# Altium PCB Fast_Servo.PCBDOC (part 3 of 7) (continued)
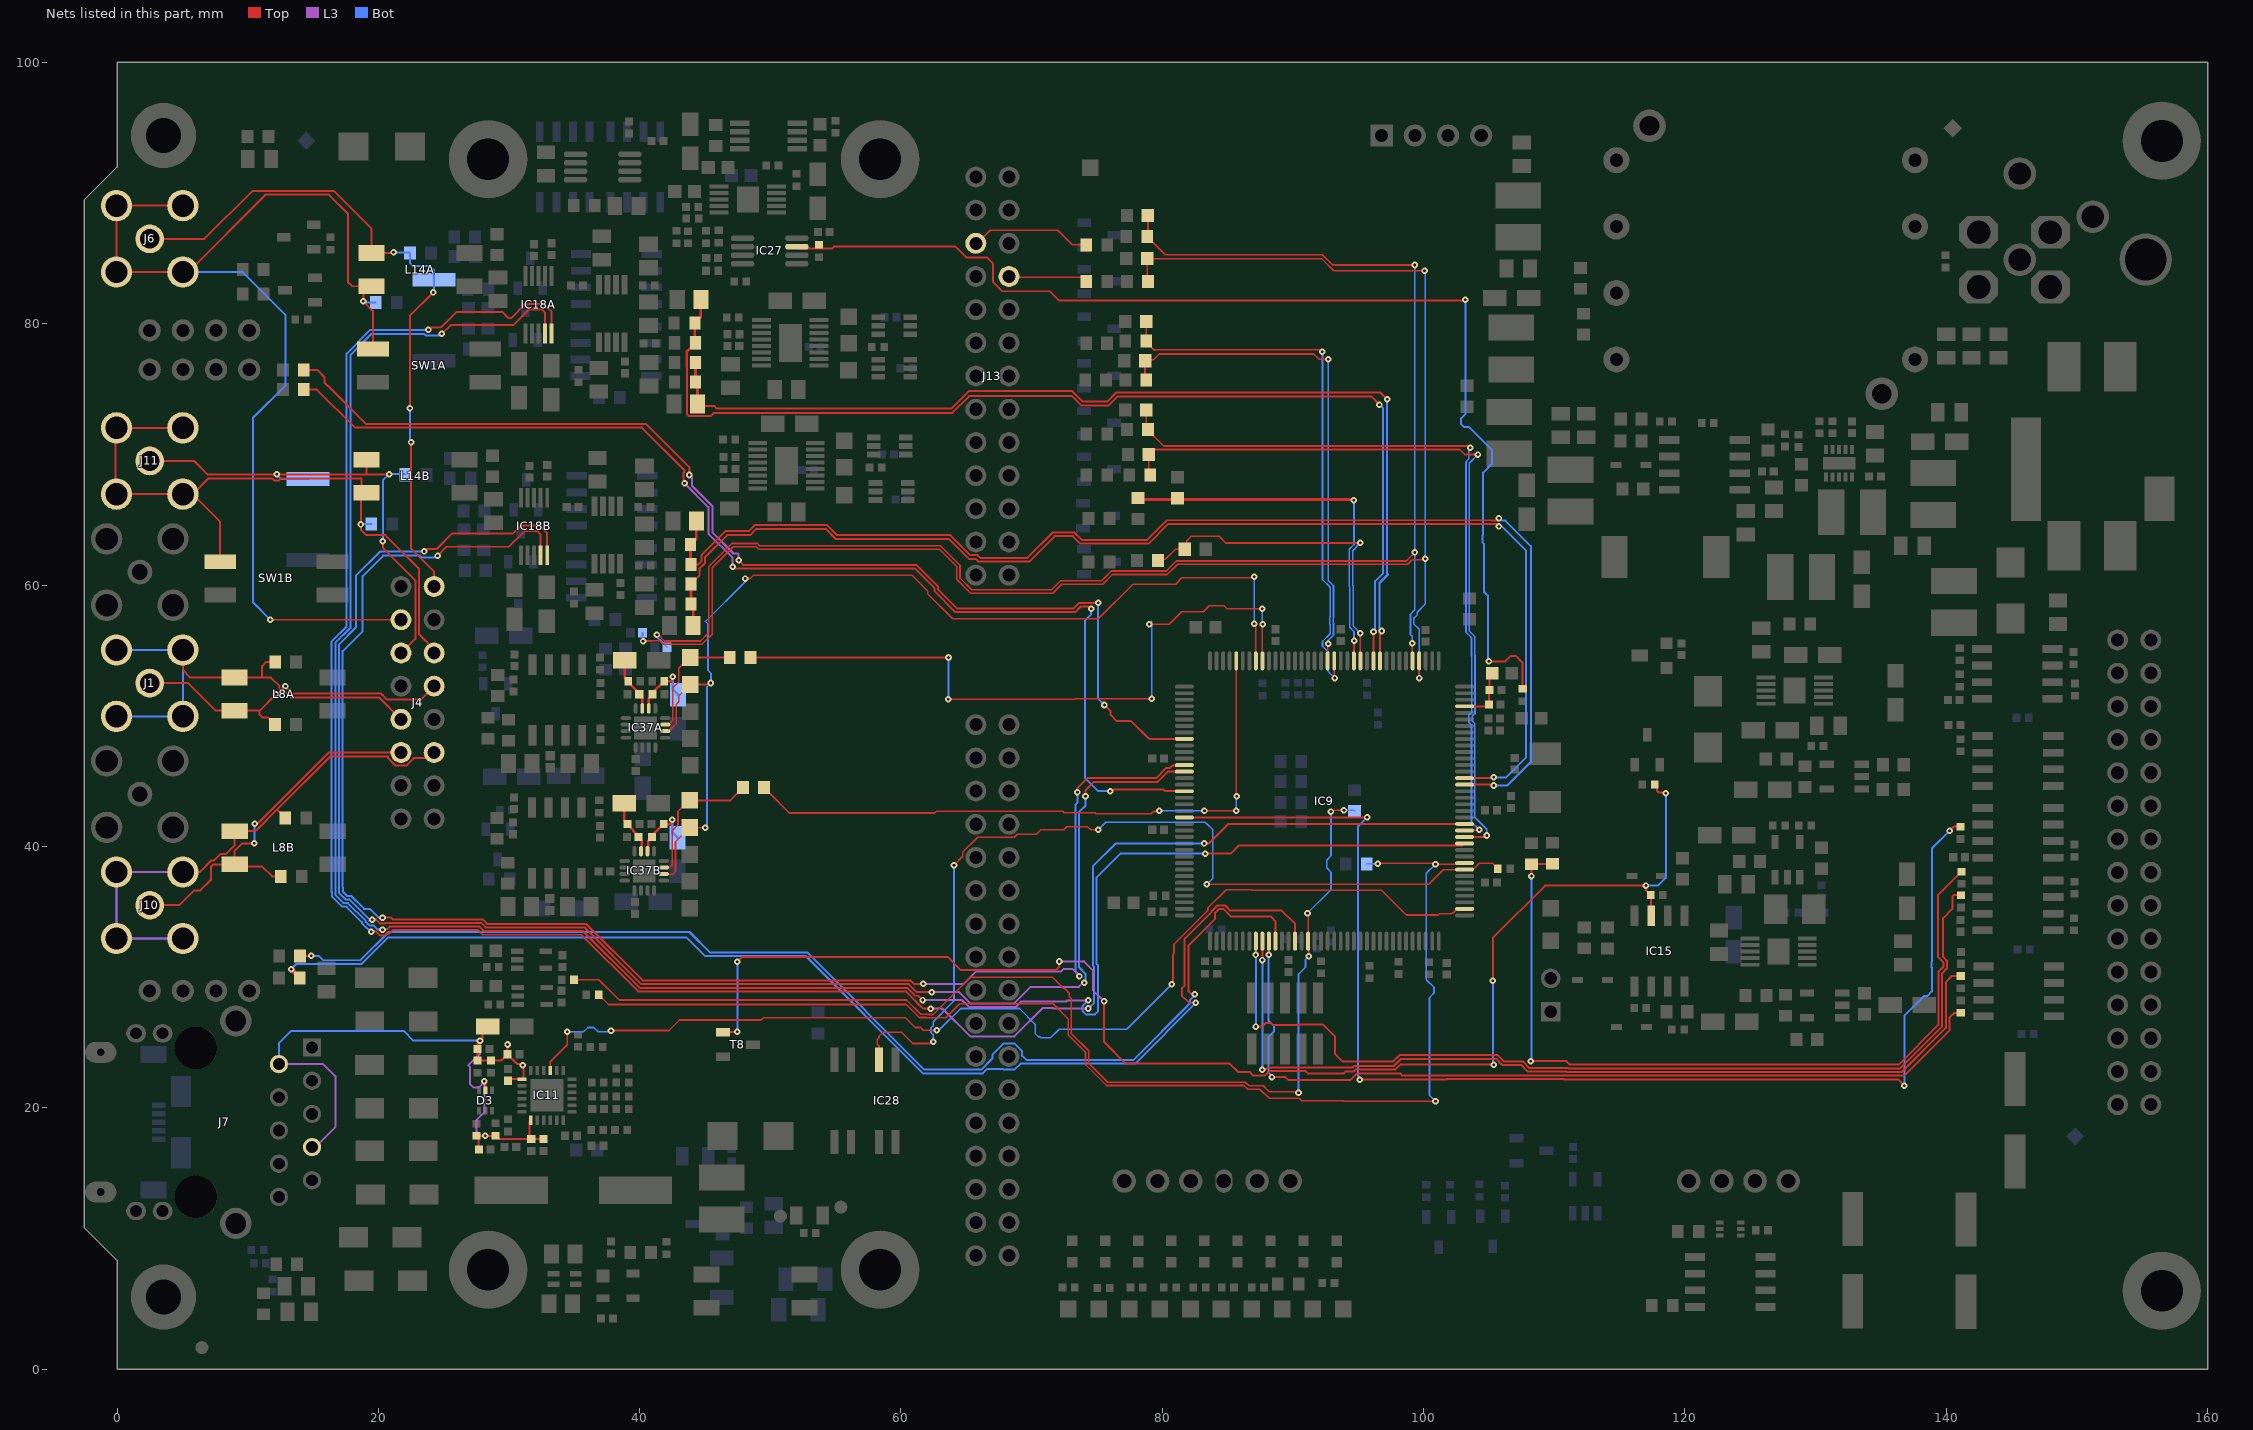
[diagram p5: the nets of this part, all layers, seen from the top]
## Nets (pads, with @x,y where several pads share a name; then routed paths per layer and width w, separated by ;. In a path a pad name is that pad's centre, name@x,y a point inside that pad or via, vN(x,y) a via of type N, cw(c..) or ccw(c..) an arc to the next point about the centre after c; other vN are vias at no path point) (continued)
  Top w0.203: R162B.1@43.934,60.078 R163B.2@43.934,58.57 44.093,58.411 C151B.2@44.093,56.899
  Bot w0.152: v1(105.359,45.29) 106.317,45.29 107.85,46.824 107.85,62.634 105.994,64.491 v1(105.766,64.491)
ADC3_IN2_P: C150B.2 IC9.21 R15B.1 R161B.2 | length 95.4
  Top w0.152: R15B.1@43.934,61.585 44.502,61.585 44.721,61.804 44.721,62.286 46.561,64.127 48.352,64.127 48.808,64.583 54.345,64.583 55.103,63.824 63.787,63.824 65.314,62.297 65.855,62.297 66.07,62.082 69.676,62.082 71.624,64.029 73.276,64.029 73.848,63.457 78.847,63.457 80.355,64.965 105.235,64.965 105.257,64.944 105.592,64.944 v1(105.766,65.118) ; IC9.21@103.134,44.727 105.296,44.727 v1(105.359,44.663)
  Top w0.203: R15B.1@43.934,61.585 43.893,61.626 R161B.2@43.893,63.094 44.343,63.544 C150B.2@44.343,64.904
  Bot w0.152: v1(105.359,44.663) 106.406,44.663 108.204,46.462 108.204,62.988 106.248,64.944 105.939,64.944 v1(105.766,65.118)
ADC3_IN5_N: C160.2 IC9.14 R133.1 | length 57.9
  Top w0.127: C160.2@78.775,73.4 78.775,71.973 80.101,70.647 103.408,70.647 v1(103.555,70.5) ; IC9.14@103.134,41.227 104.203,41.227 v1(104.25,41.274)
  Bot w0.127: v1(103.555,70.5) 103.466,70.411 103.466,69.659 103.246,69.439 103.246,56.383 103.665,55.964 103.665,54.551 103.678,54.537 103.678,50.284 103.466,50.072 103.466,49.496 103.665,49.298 103.665,41.86 v1(104.25,41.274)
ADC3_IN5_P: C158.2 IC9.13 R129.1 | length 59
  Top w0.127: R129.1@79.075,68.436 78.975,68.536 C158.2@78.975,69.995 79.358,70.378 102.765,70.378 103.148,69.995 v1(104.16,69.995) ; IC9.13@103.134,40.727 104.728,40.727 v1(104.838,40.838)
  Bot w0.127: v1(104.16,69.995) 103.5,69.334 103.5,56.488 103.919,56.069 103.919,54.657 103.932,54.643 103.932,50.179 103.72,49.966 103.72,49.602 103.919,49.403 103.919,42.229 104.838,41.309 v1(104.838,40.838)
ADC_0_N: J4.3 J6.2 L14A.2 R86A.1 SW1A.1 | length 93.6
  Top w0.152: J6.2@5.79,89.04 J6.2@5.04,89.04 J6.2@-0.04,89.04 J6.2@-0.04,83.96 J6.2@5.04,83.96 5.449,83.96 11.367,89.878 16.216,89.878 17.678,88.415 17.678,83.185 17.989,82.874 L14A.2@19.471,82.874 18.847,82.25 v1(18.847,81.712) 19.581,80.978 SW1A.1@19.581,78.074 ; v1(11.73,57.35) J4.3@21.73,57.35
  Bot w0.152: J6.2@0.71,83.96 J6.2@5.04,83.96 9.614,83.96 12.903,80.67 12.903,75.311 10.406,72.814 10.406,58.674 v1(11.73,57.35) ; v1(18.847,81.712) 18.915,81.644 R86A.1@19.801,81.644
ADC_0_P: J4.2 J6.1 L14A.1 R79A.1 R83A.2 | length 52.4
  Top w0.152: J6.1@3.25,86.5 6.693,86.5 10.351,90.157 16.624,90.157 19.471,87.311 L14A.1@19.471,85.414 21.112,85.414 v1(21.162,85.465) ; v1(22.422,73.533) 22.422,80.613 v1(24.206,82.398) ; v1(22.504,70.937) 22.504,62.789 24.27,61.023 J4.2@24.27,59.89
  Bot w0.152: v1(21.162,85.465) 22.371,85.465 R79A.1@22.422,85.414 22.422,84.659 22.646,84.434 23.951,84.434 24.247,84.138 R83A.2@24.247,83.374 v1@24.247,82.398 ; v1(22.422,73.533) 22.422,71.02 v1(22.504,70.937)
ADC_1_N: J4.6 J11.2 L14B.2 R86B.1 SW1B.1 | length 54.4
  Top w0.152: J11.2@5.79,72.04 J11.2@5.04,72.04 J11.2@-0.04,72.04 -0.102,72.04 -0.102,66.96 J11.2@-0.04,66.96 J11.2@5.04,66.96 J11.2@5.79,66.96 ; SW1B.1@7.9,61.789 7.9,64.85 J11.2@5.79,66.96 ; L14B.2@19.101,67.068 L14B.2@18.669,66.635 ; J4.6@24.27,54.81 24.27,55.096 23.114,56.252 23.114,61.242 20.533,63.823 19.074,63.823 18.669,64.227 v1(18.669,64.643) L14B.2@18.669,66.635 ; J11.2@5.79,66.96 7.004,68.174 11.881,68.174 12.03,68.025 12.405,68.025 12.554,68.174 18.72,68.174 18.72,67.118 18.669,67.068 L14B.2@18.669,66.635
  Bot w0.152: v1(18.669,64.643) 18.705,64.679 R86B.1@19.467,64.679
ADC_1_P: J4.5 J11.1 L14B.1 R79B.1 R83B.2 | length 38.4
  Top w0.152: J11.1@3.25,69.5 5.913,69.5 6.96,68.453 19.021,68.453 19.025,68.449 ; L14B.1@19.101,69.608 19.101,68.526 19.025,68.449 ; v1(20.345,63.37) 20.345,62.85 22.835,60.361 22.835,55.88 21.765,54.81 J4.5@21.73,54.81 ; v1@20.756,68.449 19.025,68.449
  Bot w0.152: v1(12.217,68.478) 12.217,68.453 12.541,68.129 R83B.2@14.62,68.129 ; v1(20.345,63.37) 20.345,68.017 v1(20.828,68.5) 22.037,68.5 R79B.1@22.087,68.449
AFE0_A0: IC9.12 IC18A.4 | length 163.6
  Top w0.152: v1(20.32,33.63) 20.629,33.63 20.867,33.868 27.752,33.868 28.098,33.521 35.662,33.521 39.999,29.185 60.492,29.185 61.103,28.573 61.335,28.573 61.671,28.237 v1(61.671,28.245) ; v1(24.867,79.227) 25.542,79.902 30.329,79.902 31.529,81.102 32.51,81.102 32.761,80.851 IC18A.4@32.761,79.259 ; v1(83.274,39.446) 85.238,39.446 85.872,40.08 102.987,40.08 IC9.12@103.134,40.227
  L3 w0.152: v1(61.671,28.245) 64.671,28.245 65.199,27.717 68.801,27.717 69.217,28.133 72.628,28.133 72.721,28.226 v1(74.33,28.226)
  Bot w0.152: v1(20.32,33.63) 19.959,33.63 19.795,33.794 19.655,33.934 19.409,33.934 19.404,33.938 19.345,33.938 19.212,34.072 19.188,34.072 19.025,34.235 19.025,34.318 17.676,35.667 17.37,35.667 16.719,36.319 16.719,36.624 16.713,36.63 16.713,55.577 17.854,56.717 17.854,77.603 19.478,79.227 23.508,79.227 23.648,79.086 24.726,79.086 v1(24.867,79.227) ; v1@74.398,28.308 73.877,27.786 73.877,27.411 74.142,27.145 74.847,27.145 75.063,27.361 75.063,30.914 74.958,31.018 74.958,37.62 76.784,39.446 v1(83.274,39.446)
AFE0_A1: IC9.15 IC18A.5 | length 166.2
  Top w0.152: v1(19.467,33.481) 19.828,33.481 20.132,33.176 20.508,33.176 20.682,33.35 20.853,33.35 21.092,33.589 27.636,33.589 27.983,33.242 35.546,33.242 39.883,28.905 60.376,28.905 61.218,28.063 61.218,28.057 61.691,27.584 v1(62.281,27.584) ; v1(23.836,79.54) 24.01,79.714 24.788,79.714 25.992,80.918 29.478,80.918 29.962,80.434 30.168,80.434 31.258,81.525 32.672,81.525 33.261,80.936 IC18A.5@33.261,79.259 ; v1(83.203,40.227) 83.569,40.227 85.069,41.727 IC9.15@103.134,41.727
  L3 w0.152: v1(62.281,27.584) 63.108,27.584 63.133,27.559 63.173,27.599 65.315,25.457 68.686,25.457 70.868,27.639 71.628,27.639 71.669,27.599 v1(74.33,27.599)
  Bot w0.152: v1(19.467,33.481) 19.289,33.659 19.229,33.659 19.096,33.792 19.073,33.792 18.745,34.12 18.745,34.202 17.56,35.388 17.254,35.388 16.439,36.203 16.439,36.508 16.434,36.514 16.434,55.692 17.574,56.833 17.574,77.718 19.396,79.54 v1(23.836,79.54) ; v1(74.33,27.599) 74.344,27.599 74.783,28.038 74.783,30.798 74.678,30.903 74.678,38.472 76.434,40.227 v1(83.203,40.227)
AFE1_A0: IC9.85 IC18B.4 | length 125.1
  Top w0.152: v1(20.32,34.544) 20.98,34.544 21.098,34.427 27.983,34.427 28.33,34.08 35.894,34.08 40.23,29.743 60.723,29.743 60.987,29.48 v1(61.697,29.48) ; v1(24.532,62.262) 25.207,62.937 29.995,62.937 31.195,64.138 32.176,64.138 32.427,63.886 IC18B.4@32.427,62.295 ; v1(73.508,44.145) 73.508,44.467 74.268,45.227 79.532,45.227 80.311,46.006 80.59,46.006 80.797,46.214 81.671,46.214 IC9.85@81.684,46.227
  L3 w0.152: v1(61.697,29.48) 64.791,29.48 65.728,30.416 72.244,30.416 72.431,30.603 73.131,30.603 v1(73.66,30.074)
  Bot w0.152: v1(20.32,34.544) 20.021,34.544 19.341,35.224 18.909,35.224 17.907,36.226 17.602,36.226 17.278,36.55 17.278,36.875 17.272,36.881 17.272,54.944 18.796,56.468 18.796,60.686 20.372,62.262 23.173,62.262 23.314,62.122 24.392,62.122 v1(24.532,62.262) ; v1(73.508,44.145) 73.508,43.358 73.361,43.212 73.361,30.452 73.66,30.153 v1(73.66,30.074)
AFE1_A1: IC9.86 IC18B.5 | length 128.5
  Top w0.152: v1@19.442,34.237 19.304,34.375 19.55,34.375 v1(19.533,34.392) 19.831,34.392 20.132,34.091 20.508,34.091 20.564,34.147 27.867,34.147 28.214,33.801 35.778,33.801 40.115,29.464 60.608,29.464 61.217,28.854 v1(62.357,28.854) ; v1(23.501,62.575) 23.675,62.749 24.453,62.749 25.658,63.953 30.317,63.953 30.924,64.56 32.338,64.56 32.927,63.971 IC18B.5@32.927,62.295 ; v1(74.123,43.84) 74.123,44.305 74.766,44.948 79.648,44.948 80.427,45.727 IC9.86@81.684,45.727
  L3 w0.152: v1(62.357,28.854) 64.457,28.854 65.315,27.997 68.686,27.997 69.938,29.249 73.623,29.249 73.939,29.566 v1(74.041,29.566)
  Bot w0.152: v1@19.304,34.351 19.338,34.351 v1@19.512,34.526 ; v1(19.533,34.392) v1@19.533,34.506 ; v1(23.501,62.575) 20.147,62.575 18.288,60.716 18.288,56.756 16.993,55.461 16.993,36.745 16.998,36.74 16.998,36.434 17.486,35.947 17.791,35.947 19.344,34.394 19.494,34.544 v1@19.512,34.526 ; v1(74.041,29.566) 74.113,29.638 74.113,30.261 73.641,30.734 73.641,42.649 74.123,43.131 v1(74.123,43.84) ; v1@19.512,34.526 v1@19.533,34.506 ; v1@19.512,34.526 19.531,34.544 19.533,34.542 v1@19.533,34.506
AT_EVENT: IC9.8 IC28.4 R139.1 | length 70.2
  Top w0.127: IC28.4@58.312,23.674 58.312,24.736 58.186,24.862 58.186,25.227 58.312,25.353 58.312,25.485 58.62,25.793 60.029,25.793 60.907,24.914 62.227,24.914 62.358,25.044 v1(62.459,25.044) ; v1(64.059,38.571) 64.74,39.251 64.74,39.57 65.879,40.71 68.68,40.71 68.892,40.921 70.362,40.921 70.714,41.274 72.457,41.274 72.696,41.513 74.277,41.513 74.515,41.274 v1(75.086,41.274) ; v1(83.413,37.117) 100.388,37.117 101.498,38.227 IC9.8@103.134,38.227 103.756,38.227 103.83,38.301 103.862,38.301 104.269,38.708 105.273,38.708 105.44,38.542 105.46,38.542 105.686,38.316 R139.1@105.686,38.296
  Bot w0.127: v1(62.459,25.044) 62.459,25.59 62.298,25.751 62.298,26.116 62.459,26.277 62.459,26.585 64.059,28.185 v1(64.059,38.571) ; v1(75.086,41.274) 75.672,41.86 83.274,41.86 83.446,41.689 83.452,41.689 83.85,41.291 83.85,37.553 v1(83.413,37.117)
AVDD: C15.1 C107.2 IC9.33 L15.2 | length 4.4
  Top w0.152: IC9.33@103.134,50.727 104.855,50.727 C15.1@104.999,50.871 104.999,51.923 L15.2@105.049,51.973 105.049,53.036 C107.2@105.259,53.246
AVDDT_PHY: C52.1 C79.1 C80.2 C81.2 C85.2 C88.2 D3.5 IC11.1 IC11.19 J7.4 J7.9 L7.1 R36.2 R37.2 R40.1 R41.1 | length 58.8
  Top w0.152: C80.2@27.691,16.805 27.681,16.815 27.681,17.845 v1(28.194,17.845) 29.069,17.845 29.313,17.601 C88.2@31.705,17.601 ; v1(28.118,22.022) 28.169,22.022 28.195,21.995 D3.5@28.195,21.345 ; C52.1@28.366,26.217 27.965,25.816 27.965,25.324 v1(27.78,25.139) ; C85.2@29.881,22.01 30.067,22.195 IC11.19@31.005,22.195 31.115,22.305 v1@31.115,23.159 ; v1(29.889,24.841) 29.881,24.834 L7.1@29.881,24.095 ; IC11.1@31.655,19.045 31.576,18.966 31.576,17.73 C88.2@31.705,17.601 ; C81.2@32.655,17.601 C88.2@31.705,17.601 ; C79.1@27.595,24.492 27.78,24.677 v1(27.78,25.139) ; C79.1@27.595,24.492 C79.1@27.595,24.5 27.595,24.954 v1(27.78,25.139) ; C79.1@27.595,24.492 R36.2@27.595,23.616 R37.2@28.616,23.616 29.402,23.616 L7.1@29.881,24.095 ; L7.1@29.881,24.095 30.613,23.364 31.221,23.364 31.27,23.314 31.121,23.165 v1@31.115,23.159 ; v1@31.115,23.159 31.045,23.089 v1(31.045,23.241) 31.115,23.171 v1@31.115,23.159
  L3 w0.152: J7.9@12.39,23.34 15.784,23.34 16.706,22.418 16.706,18.509 15.188,16.99 J7.4@14.93,16.99 ; v1(27.78,25.139) 27.78,24.123 26.899,23.241 27.03,23.11 27.03,21.809 27.295,21.543 27.671,21.543 v1@28.118,21.99 ; v1(28.118,22.022) v1@28.118,21.99 ; v1(28.194,17.845) 27.85,17.845 27.508,18.186 27.508,19.034 28.118,19.643 v1@28.118,21.99
  Bot w0.152: J7.9@12.39,23.34 12.39,24.938 13.335,25.883 21.931,25.883 22.675,25.139 v1(27.78,25.139) ; J7.4@14.93,16.99 J7.4@14.93,17.303
CPU_REF_P2V048: IC27.7 R95.1 R165.2 | length 88.3
  Top w0.152: IC27.7@52.03,85.9 52.15,85.781 54.742,85.781 54.862,85.9 64.187,85.9 65.024,85.063 66.593,85.063 67.056,84.6 67.056,83.188 67.753,82.491 71.379,82.491 72.079,81.791 103.137,81.791 v1(103.2,81.854) ; v1(105,54.172) 106.263,54.172 106.671,54.58 107.047,54.58 107.585,54.042 R95.1@107.585,52.065
  Bot w0.152: v1(103.2,81.854) 103.2,73.087 102.849,72.735 102.849,72.36 103.114,72.094 103.49,72.094 105.25,70.334 105.25,69.308 104.559,68.617 104.559,63.843 104.517,63.802 104.517,63.253 104.614,63.157 104.614,59.453 104.658,59.453 104.923,59.188 104.923,54.248 v1(105,54.172)
CPU_RESETn: IC15.7 R14.2 R51.2 T8.1 | length 107.4
  Top w0.152: T8.1@46.375,25.791 47.46,25.791 v1(47.475,25.806) ; v1(47.475,31.166) 47.859,31.55 63.564,31.55 64.577,30.537 71.848,30.537 72.111,30.799 v1(72.111,31.195) ; v1(75.54,28.142) 75.54,25.044 77.202,23.382 85.159,23.382 85.805,22.736 86.68,22.736 86.957,22.458 87.469,22.458 87.471,22.457 87.856,22.457 88.204,22.805 90.961,22.805 91.135,22.631 93.892,22.631 94.04,22.78 94.671,22.78 94.802,22.911 97.826,22.911 98.212,23.297 v1(105.359,23.297) ; v1(105.296,29.718) 105.296,33 109.303,37.008 v1(117.018,37.008) 117.018,36.641 R51.2@117.37,36.288 117.419,36.239 IC15.7@117.419,34.689 ; R14.2@117.679,44.727 117.852,44.554 117.852,44.281 118.014,44.119 118.492,44.119 v1(118.542,44.069)
  L3 w0.152: v1(72.111,31.195) 73.963,31.195 73.993,31.224 74.689,30.529 74.689,28.992 v1(75.54,28.142)
  Bot w0.152: v1(47.475,25.806) v1(47.475,31.166) ; v1(105.296,29.718) 105.296,23.36 v1(105.359,23.297) ; v1(117.018,37.008) 117.932,37.008 118.542,37.617 v1(118.542,44.069)
CSN: IC9.93 R112.1 | length 98.6
  Top w0.152: IC9.93@81.684,42.227 81.692,42.219 95.661,42.219 v1(95.669,42.227) ; v1(95.098,22.149) 101.758,22.149 101.812,22.203 110.716,22.203 110.74,22.179 136.308,22.179 v1(136.792,21.695) ; v1(140.25,41.199) 140.562,41.511 R112.1@141.086,41.511 R112.1@140.962,41.635
  Bot w0.152: v1(95.098,22.149) 95.003,22.243 95.003,22.428 94.99,22.441 94.99,41.548 v1(95.669,42.227) ; v1(136.792,21.695) 136.792,27.041 138.298,28.547 138.532,28.547 138.896,28.911 138.896,30.744 138.866,30.774 138.866,31.15 138.896,31.18 138.896,39.845 v1(140.25,41.199)
DAC0_LDACn: IC37A.11 R167.1 TP19A.1 | length 9.1
  Top w0.127: IC37A.11@42.03,49.32 42.198,49.32 42.538,49.66 42.538,52.142 42.985,52.59 42.985,53.167 42.985,53.637 43.809,54.46 TP19A.1@43.873,54.46 R167.1@46.888,54.46
DAC0R_LDACn: IC9.64 R167.2 | length 53.5
  Top w0.127: R167.2@48.488,54.46 v1(63.638,54.46) ; v1(63.627,51.257) 73.305,51.257 73.339,51.291 79.182,51.291 v1(79.183,51.29) ; v1(79,57) 80.527,57 81.485,57.958 83.146,57.958 83.599,58.411 84.719,58.411 84.769,58.362 84.951,58.179 v1(87.659,58.179) ; IC9.64@87.659,54.202 87.659,56.976 v1(87.681,56.998)
  Bot w0.127: v1(63.627,51.257) 63.638,51.269 v1(63.638,54.46) ; v1(79,57) 79,57.06 79.183,57.243 v1(79.183,51.29) ; v1(87.659,58.179) 87.659,57.019 v1(87.681,56.998)
DAC1_LDACn: IC37B.11 R169.1 TP19B.1 | length 10.8
  Top w0.127: IC37B.11@41.853,38.382 42.303,38.382 42.492,38.571 42.492,41.203 42.94,41.652 42.94,42.699 43.764,43.522 TP19B.1@43.828,43.522 46.933,43.522 47.475,44.064 47.525,44.064 47.911,44.451 R169.1@47.911,44.501
DAC1_OUT1: C153A.2 C166.2 IC9.40 R147.1 | length 126.3
  Top w0.127: v1(40.259,55.718) 40.973,55.718 40.985,55.73 41.534,55.73 41.8,55.464 44.766,55.464 45.55,56.248 45.55,61.323 47.164,62.937 48.906,62.937 49.096,62.747 62.942,62.747 64.266,61.423 64.266,60.442 65.323,59.385 71.628,59.385 72.315,60.072 75.452,60.072 76.188,60.808 80.389,60.808 81.176,61.595 98.783,61.595 99.13,61.942 100.044,61.942 v1(100.129,62.027) ; R147.1@78.9,83.241 78.85,83.291 C166.2@78.85,84.991 92.184,84.991 93.115,84.06 v1(100.069,84.06) ; v1(99.659,52.888) IC9.40@99.659,54.202
  Bot w0.127: C153A.2@40.214,56.363 40.214,55.763 v1(40.259,55.718) ; v1(99.659,52.888) 99.659,56.614 99.255,57.018 99.255,57.459 99.513,57.717 99.513,57.933 100.129,58.549 v1(100.129,62.027) 100.129,84 v1(100.069,84.06)
DAC1_OUT2: C153B.2 C165.2 IC9.41 R149.1 | length 122.4
  Top w0.127: v1(41.326,56.21) 41.413,56.21 41.905,55.718 44.661,55.718 45.296,56.353 45.296,61.429 47.059,63.191 49.024,63.191 49.193,63.022 63.025,63.022 64.52,61.528 64.52,60.547 65.428,59.639 71.523,59.639 72.209,60.326 75.346,60.326 75.666,60.645 75.666,60.653 76.099,61.087 80.309,61.087 81.071,61.849 98.678,61.849 v1(99.329,62.5) ; C165.2@78.9,88.291 78.9,86.716 R149.1@78.85,86.666 80.225,85.291 92.243,85.291 93.034,84.5 v1(99.329,84.5) ; v1(99.135,55.55) 99.135,54.226 IC9.41@99.159,54.202
  Bot w0.127: v1(41.326,56.21) 41.326,56.018 41.548,55.796 41.613,55.796 41.724,55.684 41.724,55.619 C153B.2@42.099,55.245 ; v1(99.135,55.55) 99.135,56.076 99.001,56.21 99.001,57.78 99.329,58.108 v1(99.329,62.5) v1(99.329,84.5)
DAC1R_LDACn: IC9.68 R169.2 | length 48.7
  Top w0.127: R169.2@49.511,44.501 49.511,44.451 49.898,44.064 49.948,44.064 51.45,42.562 62.59,42.562 62.719,42.691 72.392,42.691 72.503,42.579 74.862,42.579 74.93,42.511 79.154,42.511 79.317,42.674 79.705,42.674 v1(79.757,42.727) ; v1(83.228,42.73) 85.656,42.73 v1(85.659,42.727) ; IC9.68@85.659,54.202 85.659,43.882 v1(85.701,43.84)
  Bot w0.127: v1(79.757,42.727) 79.76,42.73 v1(83.228,42.73) ; v1(85.659,42.727) v1@85.659,43.84
DAC_0_N: J1.2 J4.9 L8A.3 R67A.2 | length 36.9
  Top w0.152: J1.2@5.79,55.04 5.04,54.29 5.04,53.507 5.619,52.928 L8A.3@9,52.928 11.11,52.928 ; R67A.2@12.103,54.12 11.432,54.12 11.11,53.798 11.11,52.928 ; J4.9@21.73,49.73 20.051,51.41 13.298,51.41 12.913,51.795 12.704,51.795 12.439,52.06 12.439,52.269 11.78,52.928 11.11,52.928
  Bot w0.152: J1.2@0.71,49.96 J1.2@5.04,49.96 5.04,54.562 5.518,55.04 J1.2@5.04,55.04 J1.2@0.71,55.04 ; J1.2@5.79,54.768 J1.2@5.79,55.04
DAC_0_P: J1.1 J4.8 L8A.4 R66A.2 | length 25.3
  Top w0.152: J1.1@3.25,52.5 5.438,52.5 7.55,50.388 L8A.4@9,50.388 10.916,50.388 ; R66A.2@12.092,49.321 12.092,49.371 11.718,49.744 11.668,49.744 11.531,49.881 11.11,49.881 10.916,50.075 10.916,50.388 ; v1(12.167,51.638) 10.916,50.388 ; v1(12.892,52.248) 13.426,51.714 20.177,51.714 20.304,51.587 20.345,51.587 20.694,51.239 23.239,51.239 J4.8@24.27,52.27
  Bot w0.152: v1(12.167,51.638) 12.283,51.638 v1(12.892,52.248)
DAC_1_N: J4.12 J10.2 L8B.3 R67B.2 | length 58
  Top w0.152: J10.2@5.79,38.04 6.342,38.04 7.232,38.931 7.442,38.931 7.442,38.948 7.923,39.429 8.353,39.429 8.702,39.778 8.702,39.791 9.007,40.096 L8B.3@9.007,41.166 10.592,41.166 10.723,41.297 10.729,41.297 12.268,42.836 ; R67B.2@12.88,42.182 12.88,42.232 12.506,42.606 12.456,42.606 12.268,42.794 12.268,42.836 ; J4.12@24.27,47.19 23.842,46.761 22.72,46.761 22.146,46.187 21.315,46.187 20.727,46.774 20.727,46.885 16.317,46.885 12.268,42.836
  L3 w0.152: J10.2@5.79,32.96 J10.2@5.04,32.96 J10.2@-0.04,32.96 J10.2@-0.04,38.04 J10.2@5.04,38.04 J10.2@5.79,38.04
  Bot w0.152: J10.2@5.79,32.96 J10.2@5.04,32.96 J10.2@-0.04,32.96 J10.2@-0.04,38.04 J10.2@5.04,38.04 J10.2@5.79,38.04
DAC_1_P: J4.11 J10.1 L8B.4 R66B.2 | length 29.3
  Top w0.152: J10.1@3.25,35.5 4.766,35.5 5.903,36.637 6.371,36.637 7.193,37.459 7.193,38.461 7.358,38.626 L8B.4@9.007,38.626 ; v1(10.516,40.234) 9.576,40.234 9.007,39.665 L8B.4@9.007,38.626 ; v1(10.541,41.75) 10.751,41.75 16.191,47.19 J4.11@21.73,47.19 ; R66B.2@12.535,37.704 11.867,37.704 11.11,38.461 9.172,38.461 L8B.4@9.007,38.626
  Bot w0.152: v1(10.516,40.234) 10.541,40.259 v1(10.541,41.75)
DAC_CLRn: IC9.65 IC37A.10 IC37B.10 TP20A.1 TP20B.1 | length 81.3
  Top w0.127: IC37B.10@41.853,37.882 42.555,37.882 42.746,38.073 42.746,40.371 TP20B.1@43.828,41.454 43.855,41.427 v1(45.009,41.427) ; IC37A.10@41.948,48.82 42.198,48.82 42.792,49.414 42.792,50.858 43.002,51.068 43.002,51.521 TP20A.1@43.873,52.392 45.337,52.392 v1(45.455,52.509) ; v1(48.082,60.503) 48.457,60.503 48.711,60.757 60.847,60.757 62.049,59.556 62.049,59.325 63.954,57.42 75.098,57.42 77.754,60.076 80.571,60.076 80.575,60.072 81.018,60.072 81.5,60.554 86.944,60.554 v1(87.046,60.655) ; v1(87.046,57.048) 87.159,56.935 IC9.65@87.159,54.202
  Bot w0.127: v1(45.009,41.427) 45.148,41.567 45.148,52.203 v1(45.455,52.509) 45.455,53.262 45.229,53.488 45.229,57.028 45.035,57.221 48.082,60.268 v1(48.082,60.503) ; v1(87.046,57.048) 87.046,57.026 v1(87.046,60.655)
DAC_O1_OUT1: J13.19 R148.2 | length 5.8
  Top w0.127: J13.19@68.54,83.556 73.864,83.556 R148.2@74.179,83.241
DAC_O1_OUT2: J13.22 R150.2 | length 9.2
  Top w0.127: J13.22@66,86.096 66,86.324 66.836,87.159 71.997,87.159 73.115,86.041 R150.2@74.179,86.041
DAC_VDDA: C12A.1 C142A.2 IC37A.15 L16A.2 | length 4.3
  Top w0.203: C12A.1@38.858,54.248 38.858,52.906 L16A.2@39.123,52.642 39.123,52.599 39.967,51.755 C142A.2@39.967,51.65 40.198,51.42 IC37A.15@40.198,50.57 IC37A.15@40.198,50.52
DAC_VDDB: C12B.1 C142B.2 IC37B.15 L16B.2 | length 4.3
  Top w0.203: C12B.1@38.813,43.31 38.813,41.968 L16B.2@39.078,41.704 39.078,41.662 39.923,40.817 C142B.2@39.923,40.712 40.153,40.482 IC37B.15@40.153,39.582
DAC_VlogicA: C99A.1 C143A.2 IC37A.14 R164A.2 | length 5.1
  Top w0.203: IC37A.14@40.698,50.52 IC37A.14@40.698,50.57 40.698,51.35 C143A.2@40.998,51.65 40.998,51.767 41.872,52.642 R164A.2@41.889,52.642 42.415,52.642 42.545,52.772 v1(42.545,52.984)
  Bot w0.203: v1(42.545,52.984) 42.545,52.015 C99A.1@42.938,51.622
DAC_VlogicB: C99B.1 C143B.2 IC37B.14 R164B.2 | length 5.1
  Top w0.203: IC37B.14@40.653,39.582 40.653,40.412 C143B.2@40.953,40.712 40.953,40.83 41.827,41.704 R164B.2@41.844,41.704 42.37,41.704 42.494,41.828 v1(42.494,42.037)
  Bot w0.203: v1(42.494,42.037) 42.494,41.083 C99B.1@42.893,40.684
DI0: IC9.124 R17.2 R176.2 | length 88.6
  Top w0.127: R17.2@34.977,29.796 36.879,29.796 38.43,28.245 60.427,28.245 61.514,27.158 62.059,27.158 62.073,27.144 62.473,27.144 65.32,29.991 71.593,29.991 72.483,29.1 72.55,29.1 72.881,28.768 72.881,28.522 73.044,28.359 73.044,25.688 74.377,24.355 74.377,23.418 75.833,21.961 86.359,21.961 86.638,21.682 87.721,21.682 88.173,21.23 v1@90.61,21.23 ; v1(91.113,34.901) 91.161,34.853 91.161,32.753 IC9.124@91.159,32.752 91.208,32.703 v1(91.208,31.603) ; v1(92.909,42.672) 93.01,42.672 93.096,42.758 v1(93.903,42.758)
  Bot w0.127: v1(90.424,21.158) 90.424,30.224 90.965,30.764 90.965,31.342 91.208,31.586 v1(91.208,31.603) ; v1(91.113,34.901) 92.909,36.698 92.909,38.036 92.574,38.371 92.574,38.946 92.909,39.281 v1(92.909,42.672) ; v1(93.903,42.758) 94.669,42.758 R176.2@94.717,42.71
DI1: IC9.9 R1.2 R177.1 | length 96.2
  Top w0.127: R1.2@36.866,28.653 37.617,27.902 60.411,27.902 61.409,26.904 61.954,26.904 61.968,26.89 63.423,26.89 64.491,27.959 71.65,27.959 72.79,26.819 72.79,25.582 74.123,24.249 74.123,23.312 75.728,21.707 86.254,21.707 86.533,21.428 87.467,21.428 88.177,20.718 90.475,20.718 90.656,20.536 93.867,20.536 93.903,20.5 v1(100.909,20.5) ; v1@96.495,38.727 100.648,38.727 100.658,38.717 100.838,38.717 v1(100.909,38.646) 103.053,38.646 IC9.9@103.134,38.727
  Bot w0.127: R177.1@95.644,38.659 95.669,38.684 v1(96.495,38.684) ; v1(100.909,20.5) 100.444,20.965 100.444,28.43 100.72,28.706 100.79,28.776 100.79,29.224 100.205,29.809 100.205,37.941 v1(100.909,38.646)
EEM_GPIO0: R117.1 R178.1 R179.1 | length 62.1
  Top w0.152: v1(108.204,23.573) 110.927,23.573 111.203,23.297 136.351,23.297 139.403,26.349 139.403,30.405 139.772,30.774 139.772,31.15 139.35,31.572 139.35,36.273 R117.1@141.151,38.075 ; v1(108.255,37.734) R178.1@108.255,38.646 109.817,38.646 R179.1@109.855,38.684
  Bot w0.152: v1(108.204,23.573) 108.255,23.623 v1(108.255,37.734)
EEM_GPIO1: IC9.116 R115.1 | length 74.4
  Top w0.152: v1(87.156,26.217) 87.655,26.217 87.926,26.488 88.302,26.488 88.45,26.34 90.507,26.34 90.533,26.365 92.307,26.365 93.212,25.46 93.212,24.118 93.779,23.552 97.677,23.552 98.154,24.029 105.663,24.029 106.139,23.553 107.583,23.553 108.094,23.041 111.063,23.041 111.087,23.017 136.467,23.017 139.683,26.233 139.683,30.289 140.052,30.658 140.052,31.265 139.759,31.557 139.759,34.512 140.463,35.216 140.463,36.161 140.57,36.268 R115.1@141.126,36.268 ; v1(87.156,31.696) 87.159,31.7 IC9.116@87.159,32.752
  Bot w0.152: v1(87.156,26.217) 87.156,26.558 87.161,26.563 87.161,31.691 v1(87.156,31.696)
EEM_GPIO2: IC9.117 R118.1 | length 69.2
  Top w0.152: v1(87.652,31.306) 87.652,32.745 IC9.117@87.659,32.752 ; v1(87.659,22.91) 87.726,22.976 87.98,22.976 88.089,23.085 94.581,23.085 94.708,23.212 97.732,23.212 98.27,23.75 105.547,23.75 106.023,23.273 107.467,23.273 107.979,22.762 110.947,22.762 110.971,22.738 136.582,22.738 139.962,26.118 139.962,29.621 140.425,30.084 R118.1@141.111,30.084
  Bot w0.152: v1(87.652,31.306) 87.652,22.917 v1(87.659,22.91)
EEM_GPIO3: IC9.118 R119.1 | length 66.5
  Top w0.152: v1(88.145,31.7) 88.159,31.714 IC9.118@88.159,32.752 ; v1(88.392,22.352) 89.427,22.352 89.647,22.132 94.419,22.132 94.918,22.631 98.196,22.631 98.364,22.464 101.677,22.464 101.696,22.483 110.831,22.483 110.855,22.458 136.792,22.458 140.241,25.908 140.241,26.884 140.629,27.272 R119.1@141.111,27.272
  Bot w0.152: v1(88.145,31.7) 88.145,26.645 88.567,26.223 88.567,25.847 88.145,25.425 88.145,22.691 88.392,22.444 v1(88.392,22.352)
ETH_PHY_NRST: IC9.2 IC11.15 | length 82.5
  Top w0.127: IC11.15@33.155,22.845 33.155,23.516 34.452,24.813 v1(34.452,25.806) ; v1@37.971,25.908 42.249,25.908 43.055,26.714 49.301,26.714 49.478,26.891 60.344,26.891 61.093,26.142 61.505,26.142 61.714,25.933 v1(62.738,25.933) ; v1(80.716,29.464) 80.827,29.464 80.814,29.477 80.814,31.732 80.896,31.814 80.896,32.506 83.504,35.114 83.504,35.299 84.891,36.686 86.842,36.686 86.887,36.641 96.777,36.641 98.667,34.751 101.119,34.751 101.209,34.84 102.138,34.84 102.187,34.889 102.221,34.889
  Top w0.152: 102.221,34.889 102.56,35.227 IC9.2@103.134,35.227
  Bot w0.127: v1(34.452,25.806) 35.704,25.806 36.042,26.144 36.489,26.144 36.827,25.806 v1@37.605,25.806 ; v1(62.738,25.933) 62.809,26.005 62.972,26.005 64.565,27.599 69.069,27.599 70.264,26.404 70.264,25.687 70.522,25.429 70.625,25.429 70.705,25.349 71.441,25.349 72.108,26.017 77.269,26.017 v1(80.716,29.464)
  other v1: 37.807,25.908
FP_LED_0: IC9.119 R58.2 | length 92.2
  Top w0.152: R58.2@14.011,31.625 v1(14.861,31.625) ; v1(82.474,28.677) 82.255,28.677 81.966,28.966 81.987,28.987 81.987,32.406 84.05,34.469 84.05,34.932 84.318,35.2 84.694,35.2 85.274,34.62 88.328,34.62 88.659,34.289 IC9.119@88.659,32.752
  Bot w0.152: v1(14.861,31.625) 15.454,31.625 15.789,31.29 18.622,31.29 20.783,33.452 43.815,33.452 45.368,31.898 52.811,31.898 61.792,22.917 66.146,22.917 67,23.771 67,24.069 67.855,24.923 68.686,24.923 69.273,24.336 69.273,23.98 69.591,23.662 77.8,23.662 82.118,27.98 82.118,28.225 82.379,28.486 82.379,28.772 v1(82.474,28.677)
FP_LED_1: IC9.122 R76.2 | length 94.9
  Top w0.152: v1(82.571,28.038) 82.052,28.038 81.505,28.585 81.505,29.146 81.708,29.349 81.708,32.941 83.77,35.004 83.77,35.048 84.202,35.48 84.809,35.48 85.206,35.083 89.146,35.083 90.159,34.07 IC9.122@90.159,32.752
  Top w0.381: v1(13.335,30.607) 13.335,30.597 R76.2@13.992,29.94
  Bot w0.152: v1(13.335,30.607) 13.739,31.011 18.738,31.011 20.772,33.045 43.561,33.045 44.987,31.619 52.693,31.619 61.674,22.637 66.261,22.637 66.574,22.951 67.821,22.951 67.855,22.917 68.686,22.917 69.151,23.382 77.916,23.382 v1(82.571,28.038)
FP_LED_2: IC9.89 R77.2 | length 91.2
  Top w0.152: R77.2@14.3,74.969 15.302,74.969 18.224,72.047 40.17,72.047 43.434,68.783 43.434,68.694 43.355,68.615 43.355,67.871 v1(43.434,67.793) ; v1(47.117,61.417) 47.257,61.277 61.063,61.277 62.569,59.771 62.569,59.541 64.17,57.941 73.327,57.941 73.739,58.352 74.388,58.352 v1(74.549,58.191) ; v1(76.022,44.221) 76.116,44.221 76.256,44.361 80.081,44.361 80.216,44.227 IC9.89@81.684,44.227
  L3 w0.152: v1(43.434,67.793) 45.263,65.964 45.263,63.947 47.117,62.093 v1(47.117,61.417)
  Bot w0.152: v1(74.549,58.191) 74.549,57.754 74.066,57.272 74.066,45.25 75.088,44.228 76.015,44.228 v1(76.022,44.221)
FP_LED_3: IC9.81 R78.2 | length 86.5
  Top w0.152: R78.2@14.3,76.449 15.351,76.449 15.879,75.921 15.879,75.504 16.144,75.239 16.15,75.239 19.063,72.326 40.49,72.326 43.809,69.008 v1(43.809,68.428) ; v1(47.574,61.9) 47.917,61.557 61.179,61.557 62.849,59.887 62.849,59.657 64.285,58.22 73.211,58.22 73.64,58.649 v1(75.108,58.649) ; v1(75.575,50.825) 75.575,50.807 76.047,50.334 76.047,50.069 76.523,49.593 77.615,49.593 78.986,48.222 81.679,48.222 IC9.81@81.684,48.227
  L3 w0.152: v1(43.809,68.428) 43.997,68.239 43.997,67.625 45.564,66.058 45.564,64.041 47.183,62.422 47.51,62.422 47.574,62.358 v1(47.574,61.9)
  Bot w0.152: v1(75.108,58.649) 75.086,58.627 75.086,51.314 v1(75.575,50.825)